# Altium PCB FMC_ADC_128CH_10B.PcbDoc (part 1 of 14) (continued)
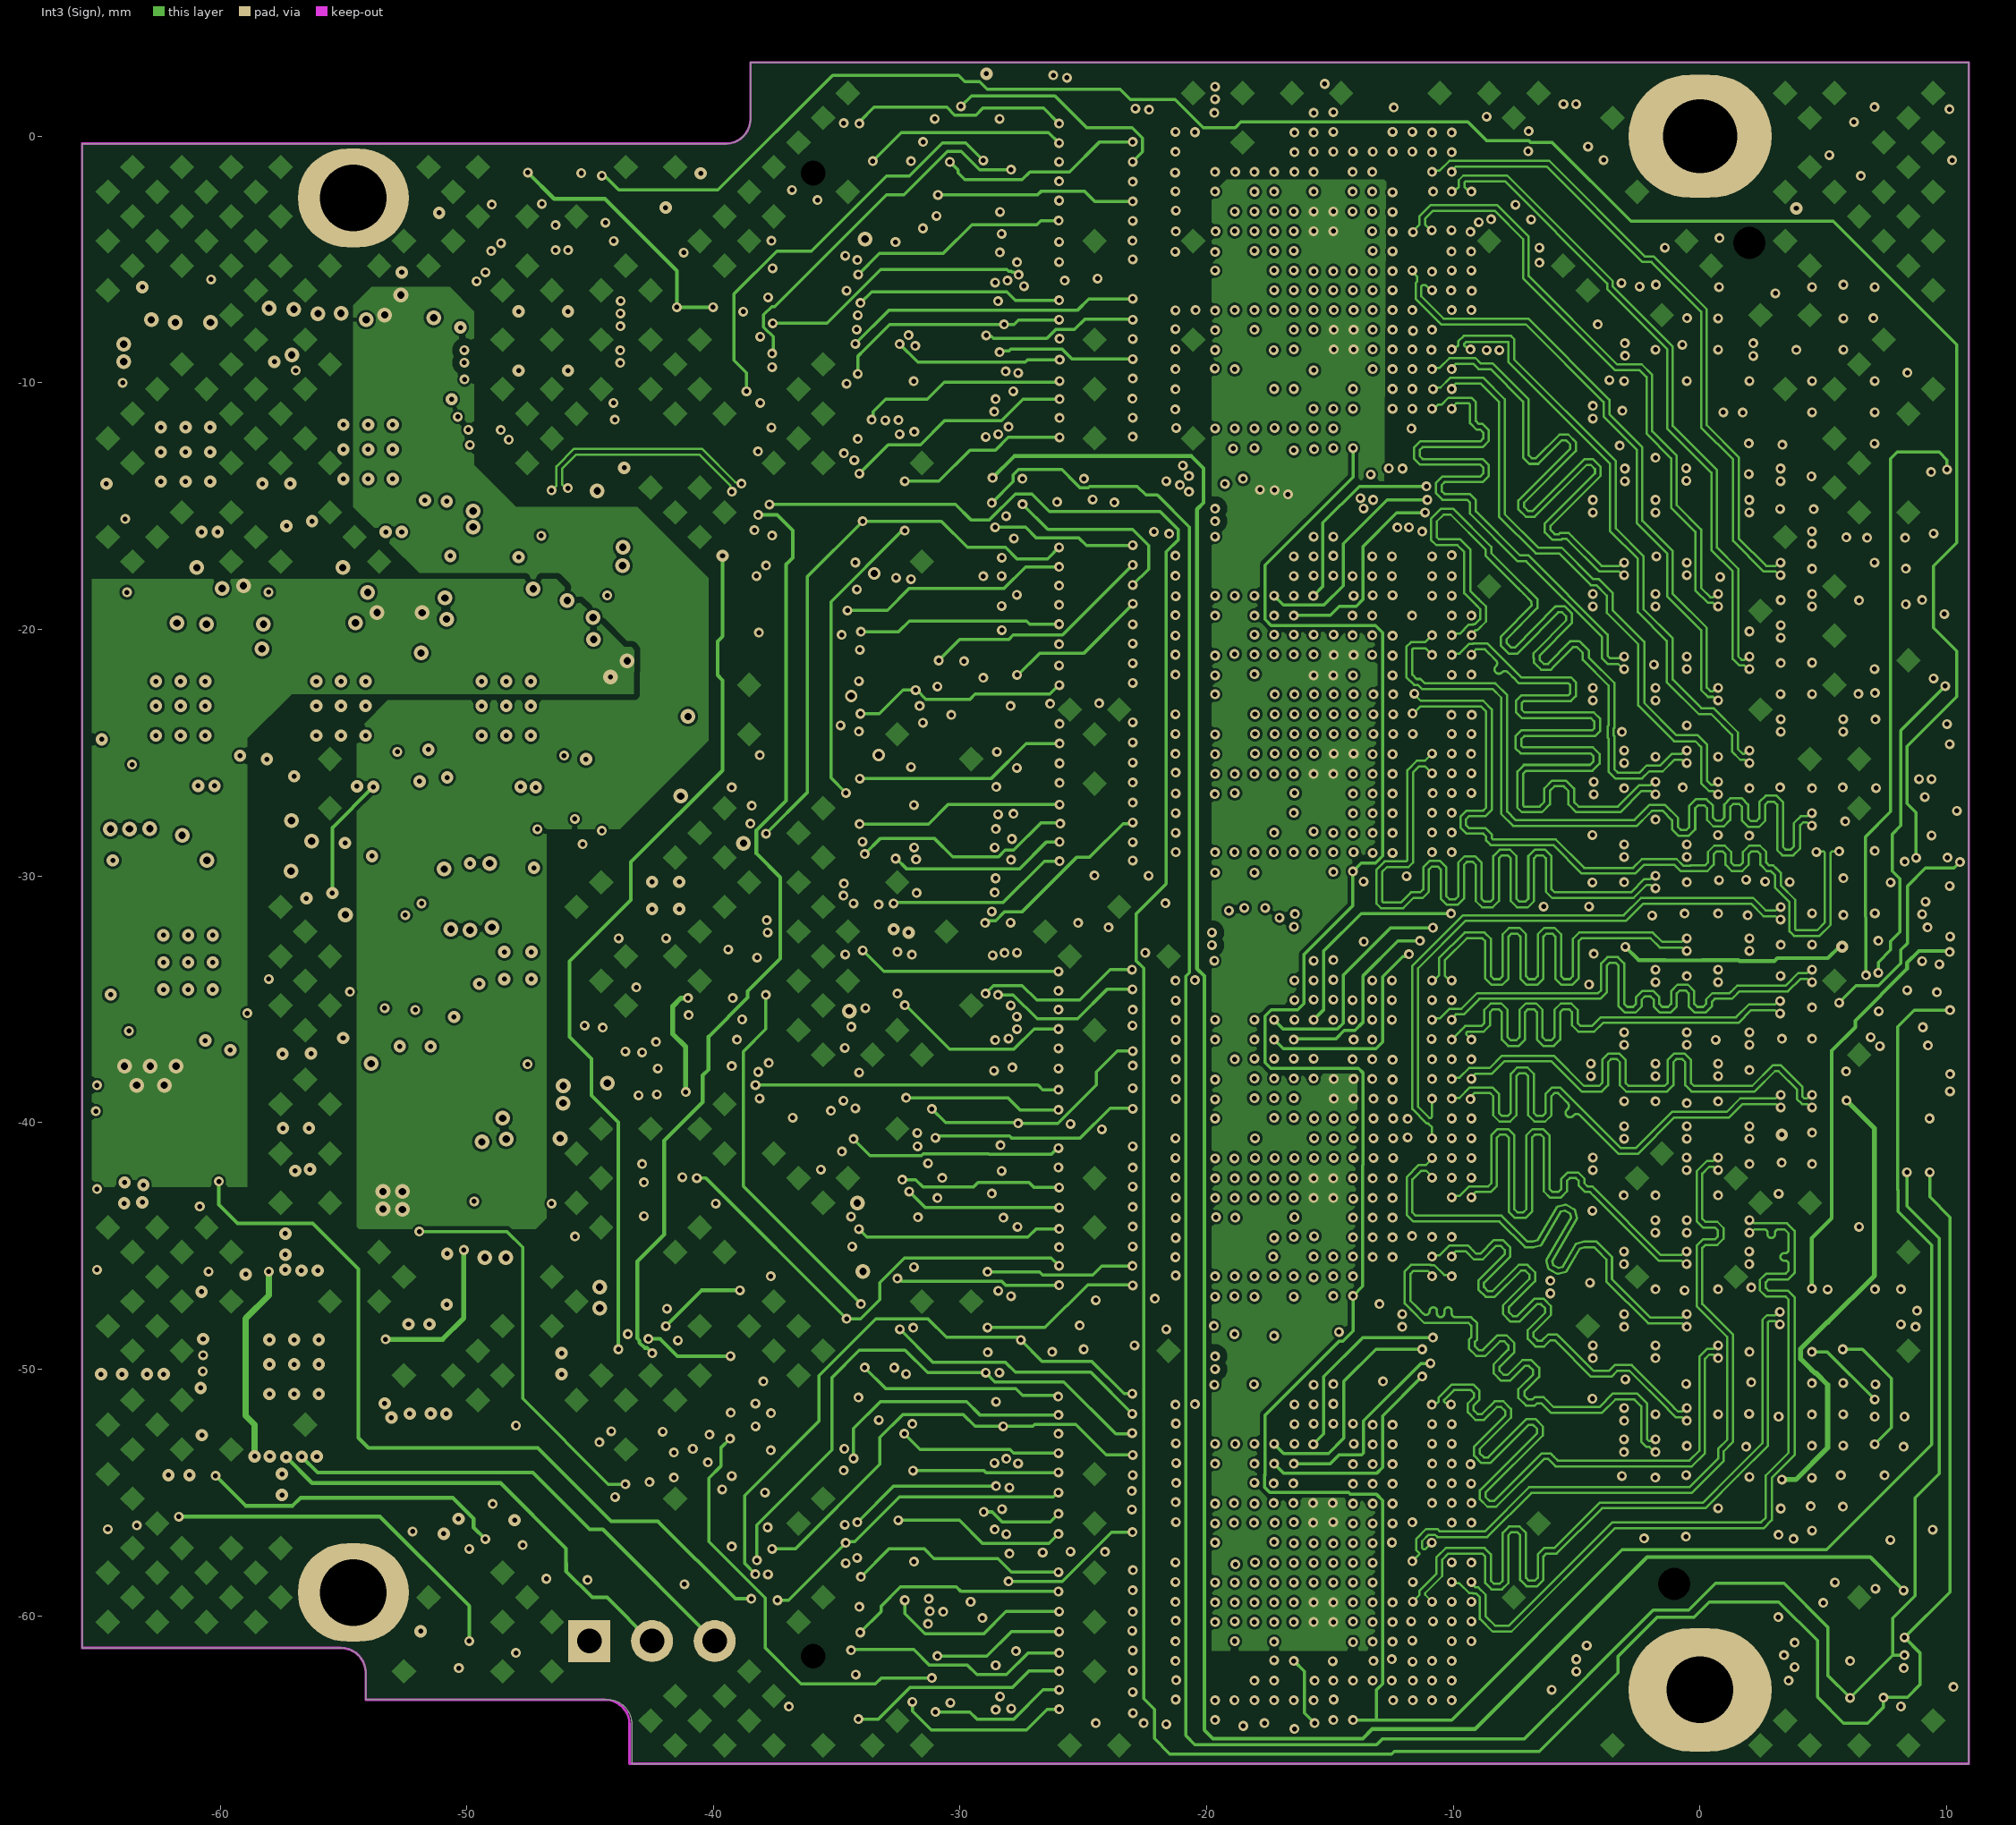
[diagram p4: Int3 (Sign)]
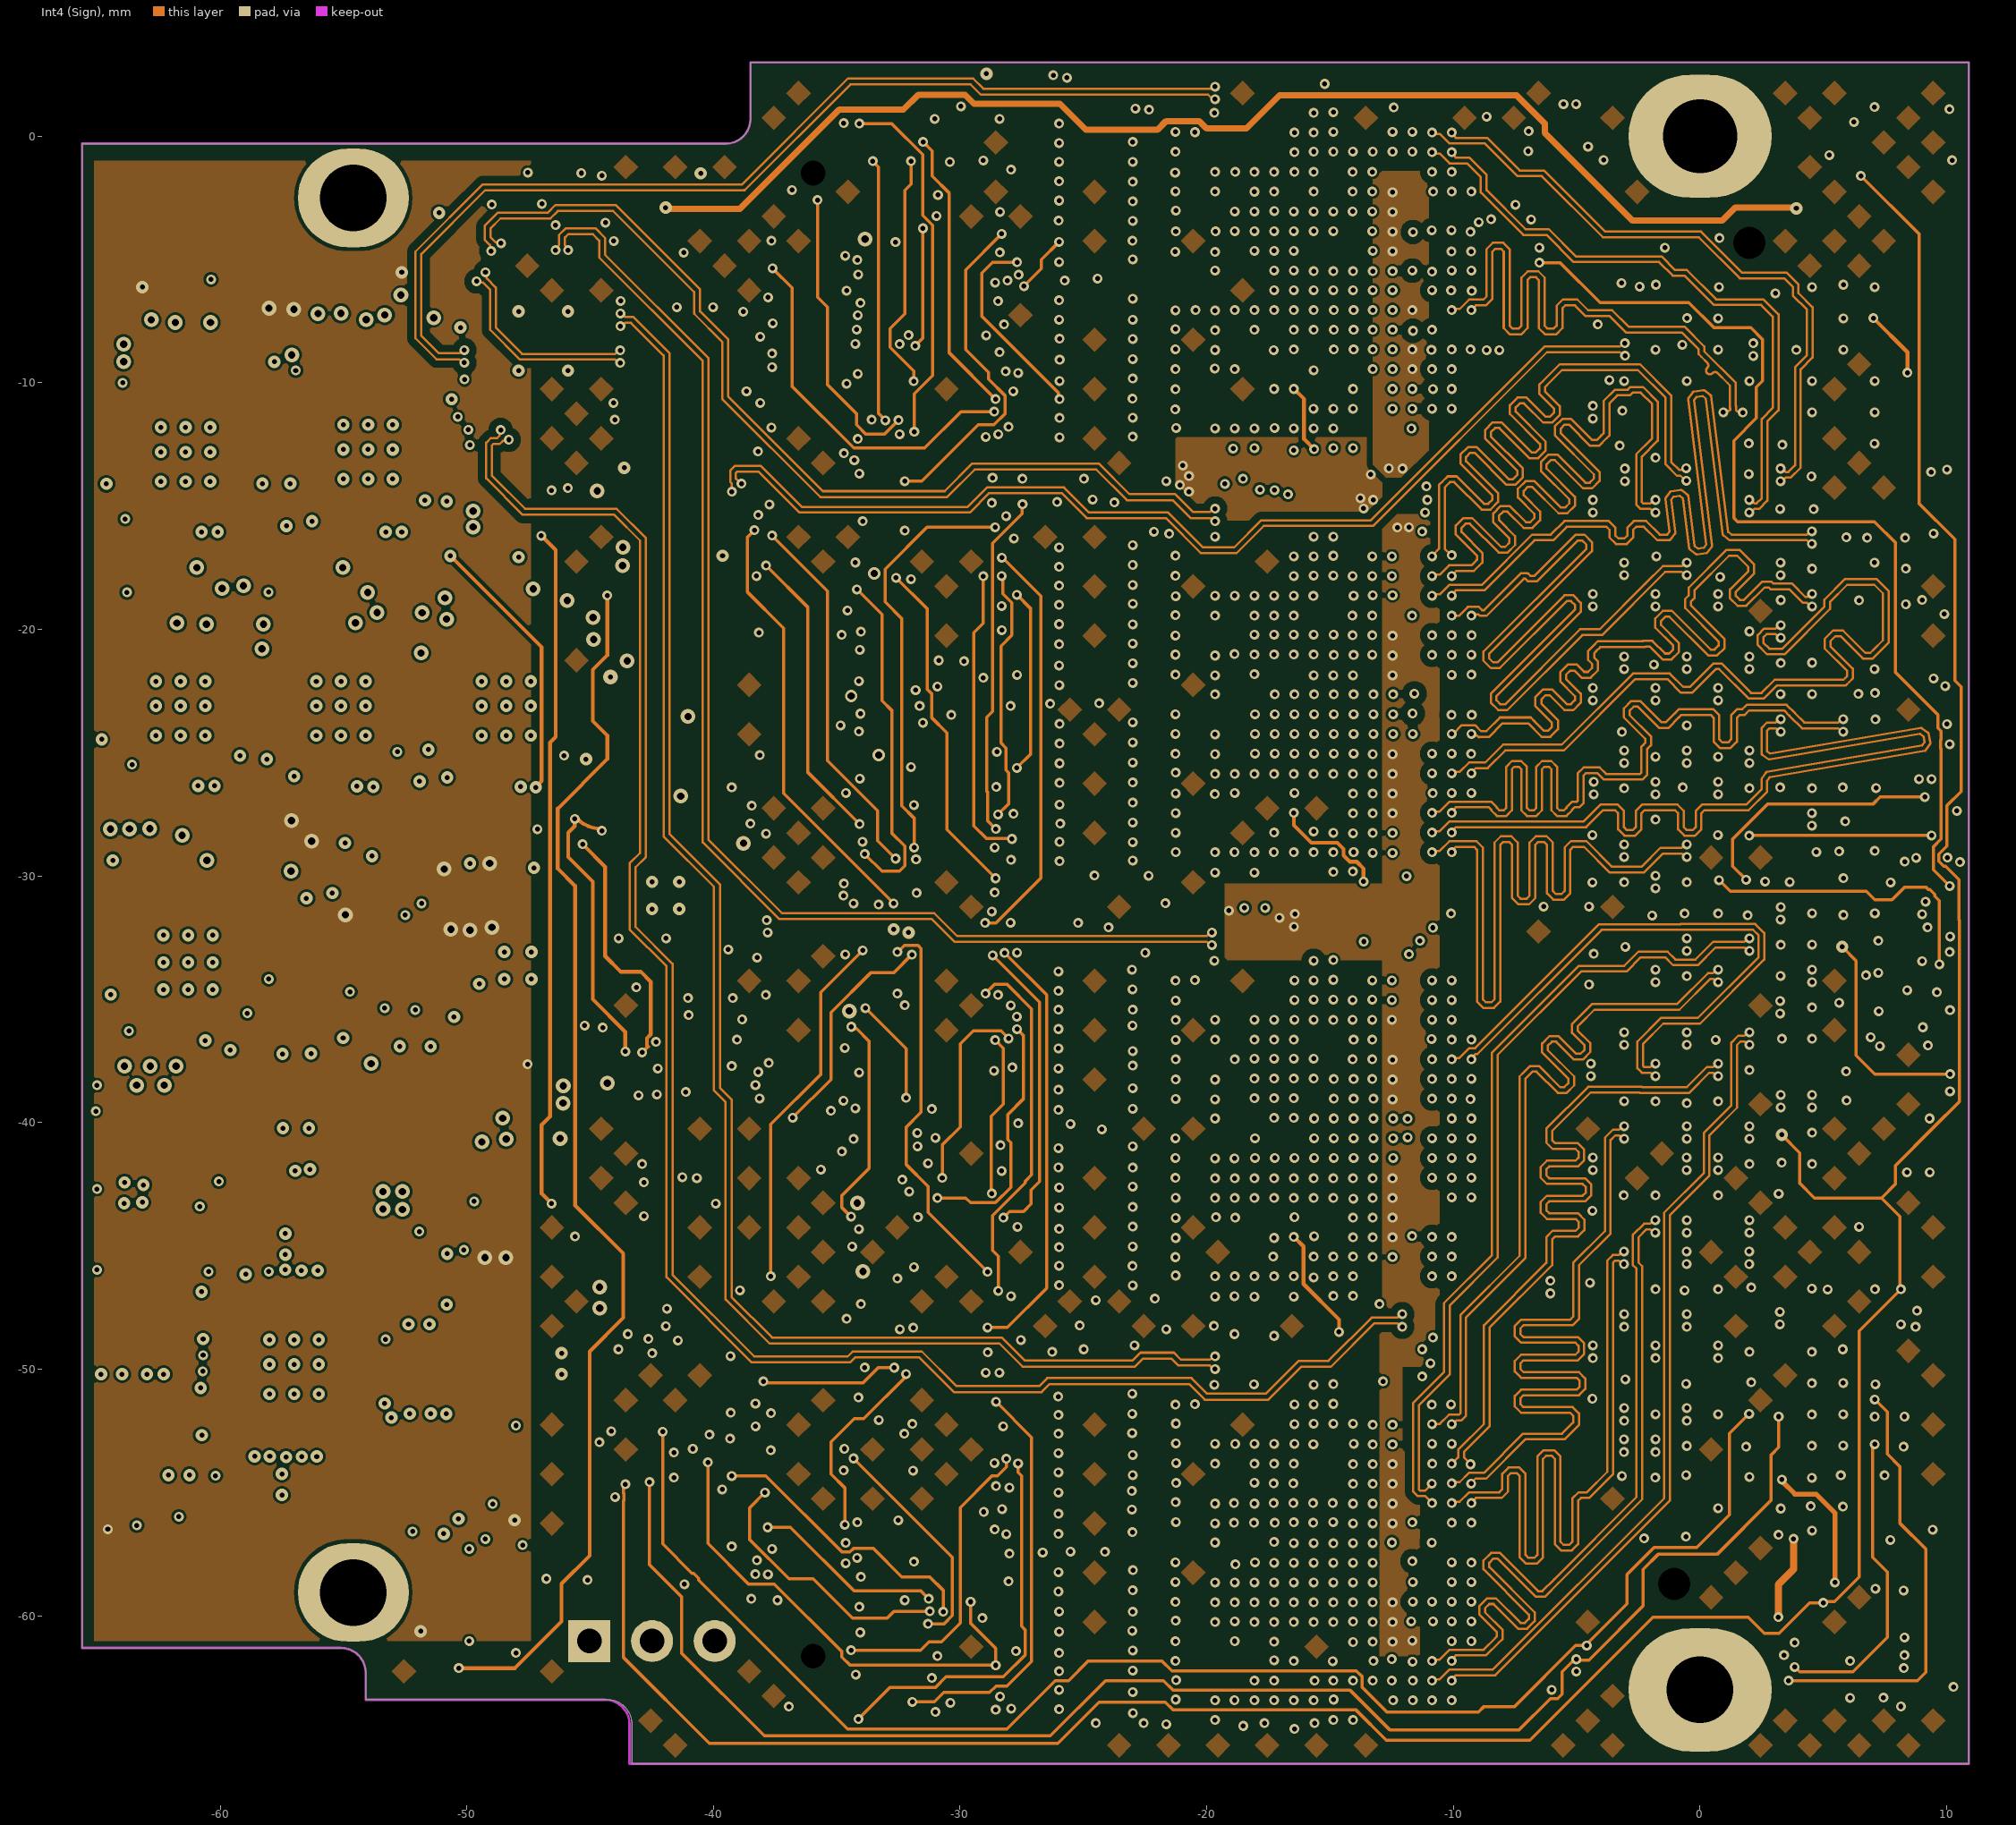
[diagram p5: Int4 (Sign)]
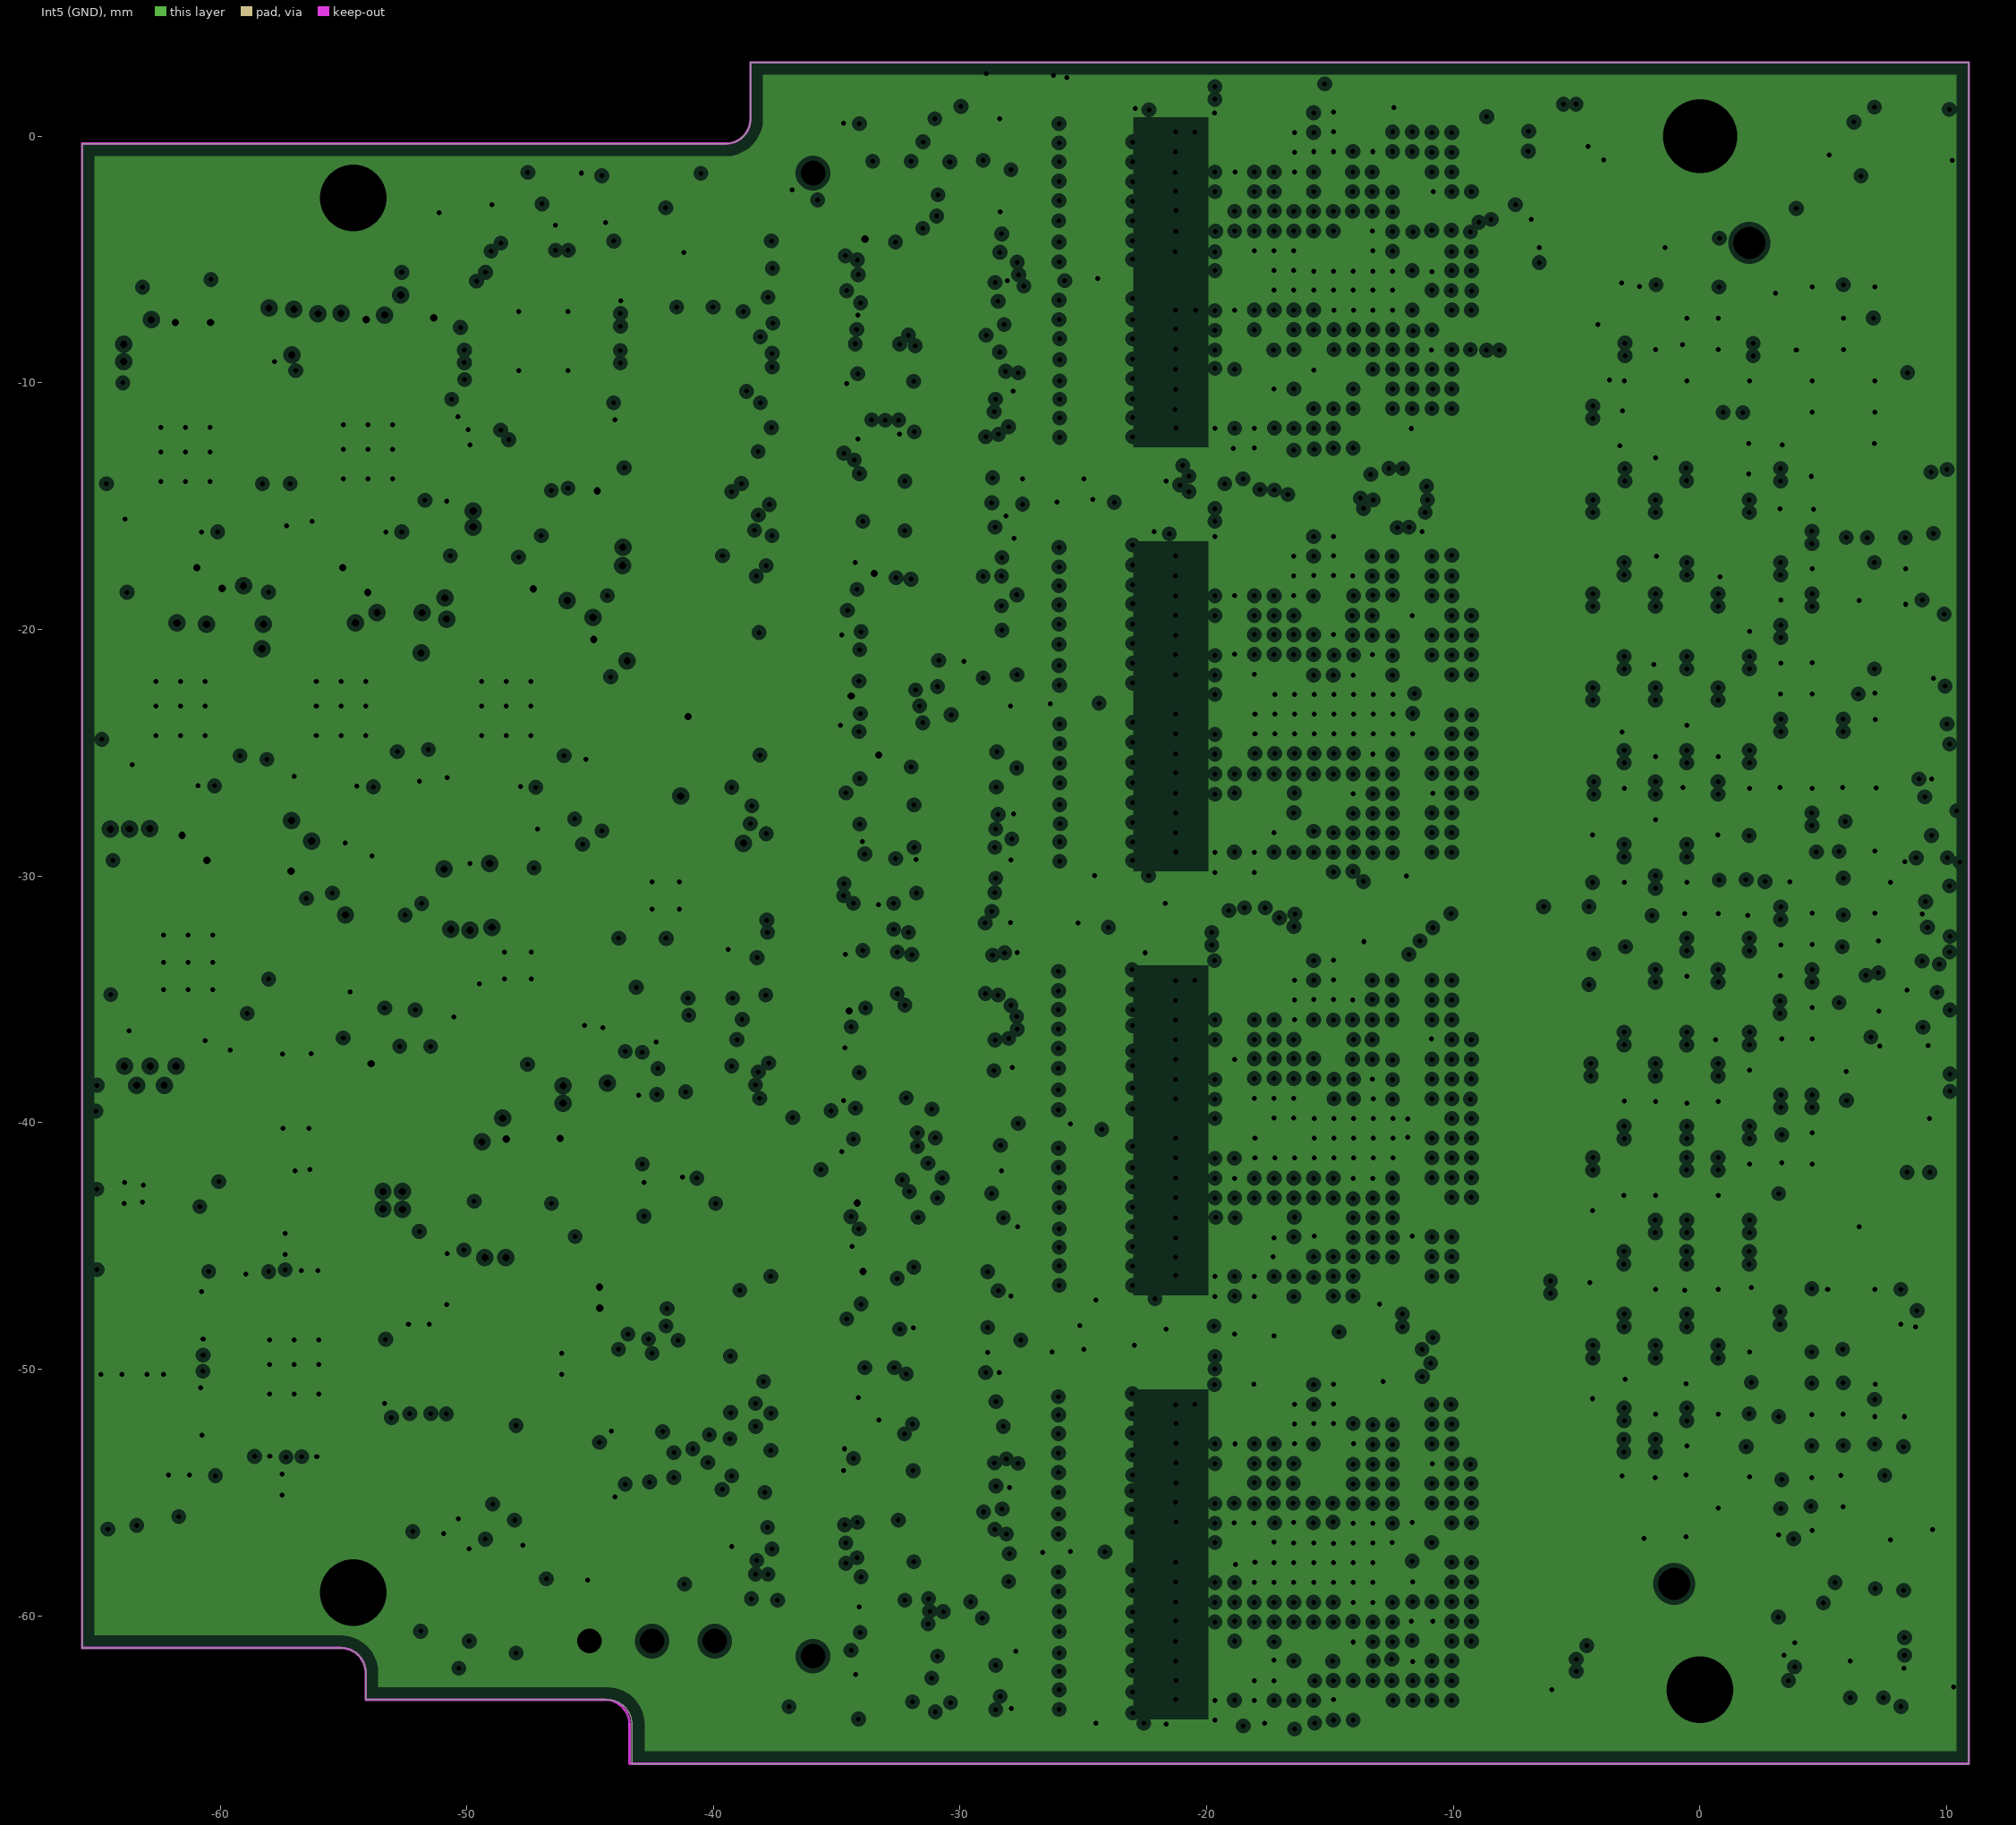
[diagram p6: Int5 (GND), clearances drawn from the general rule]
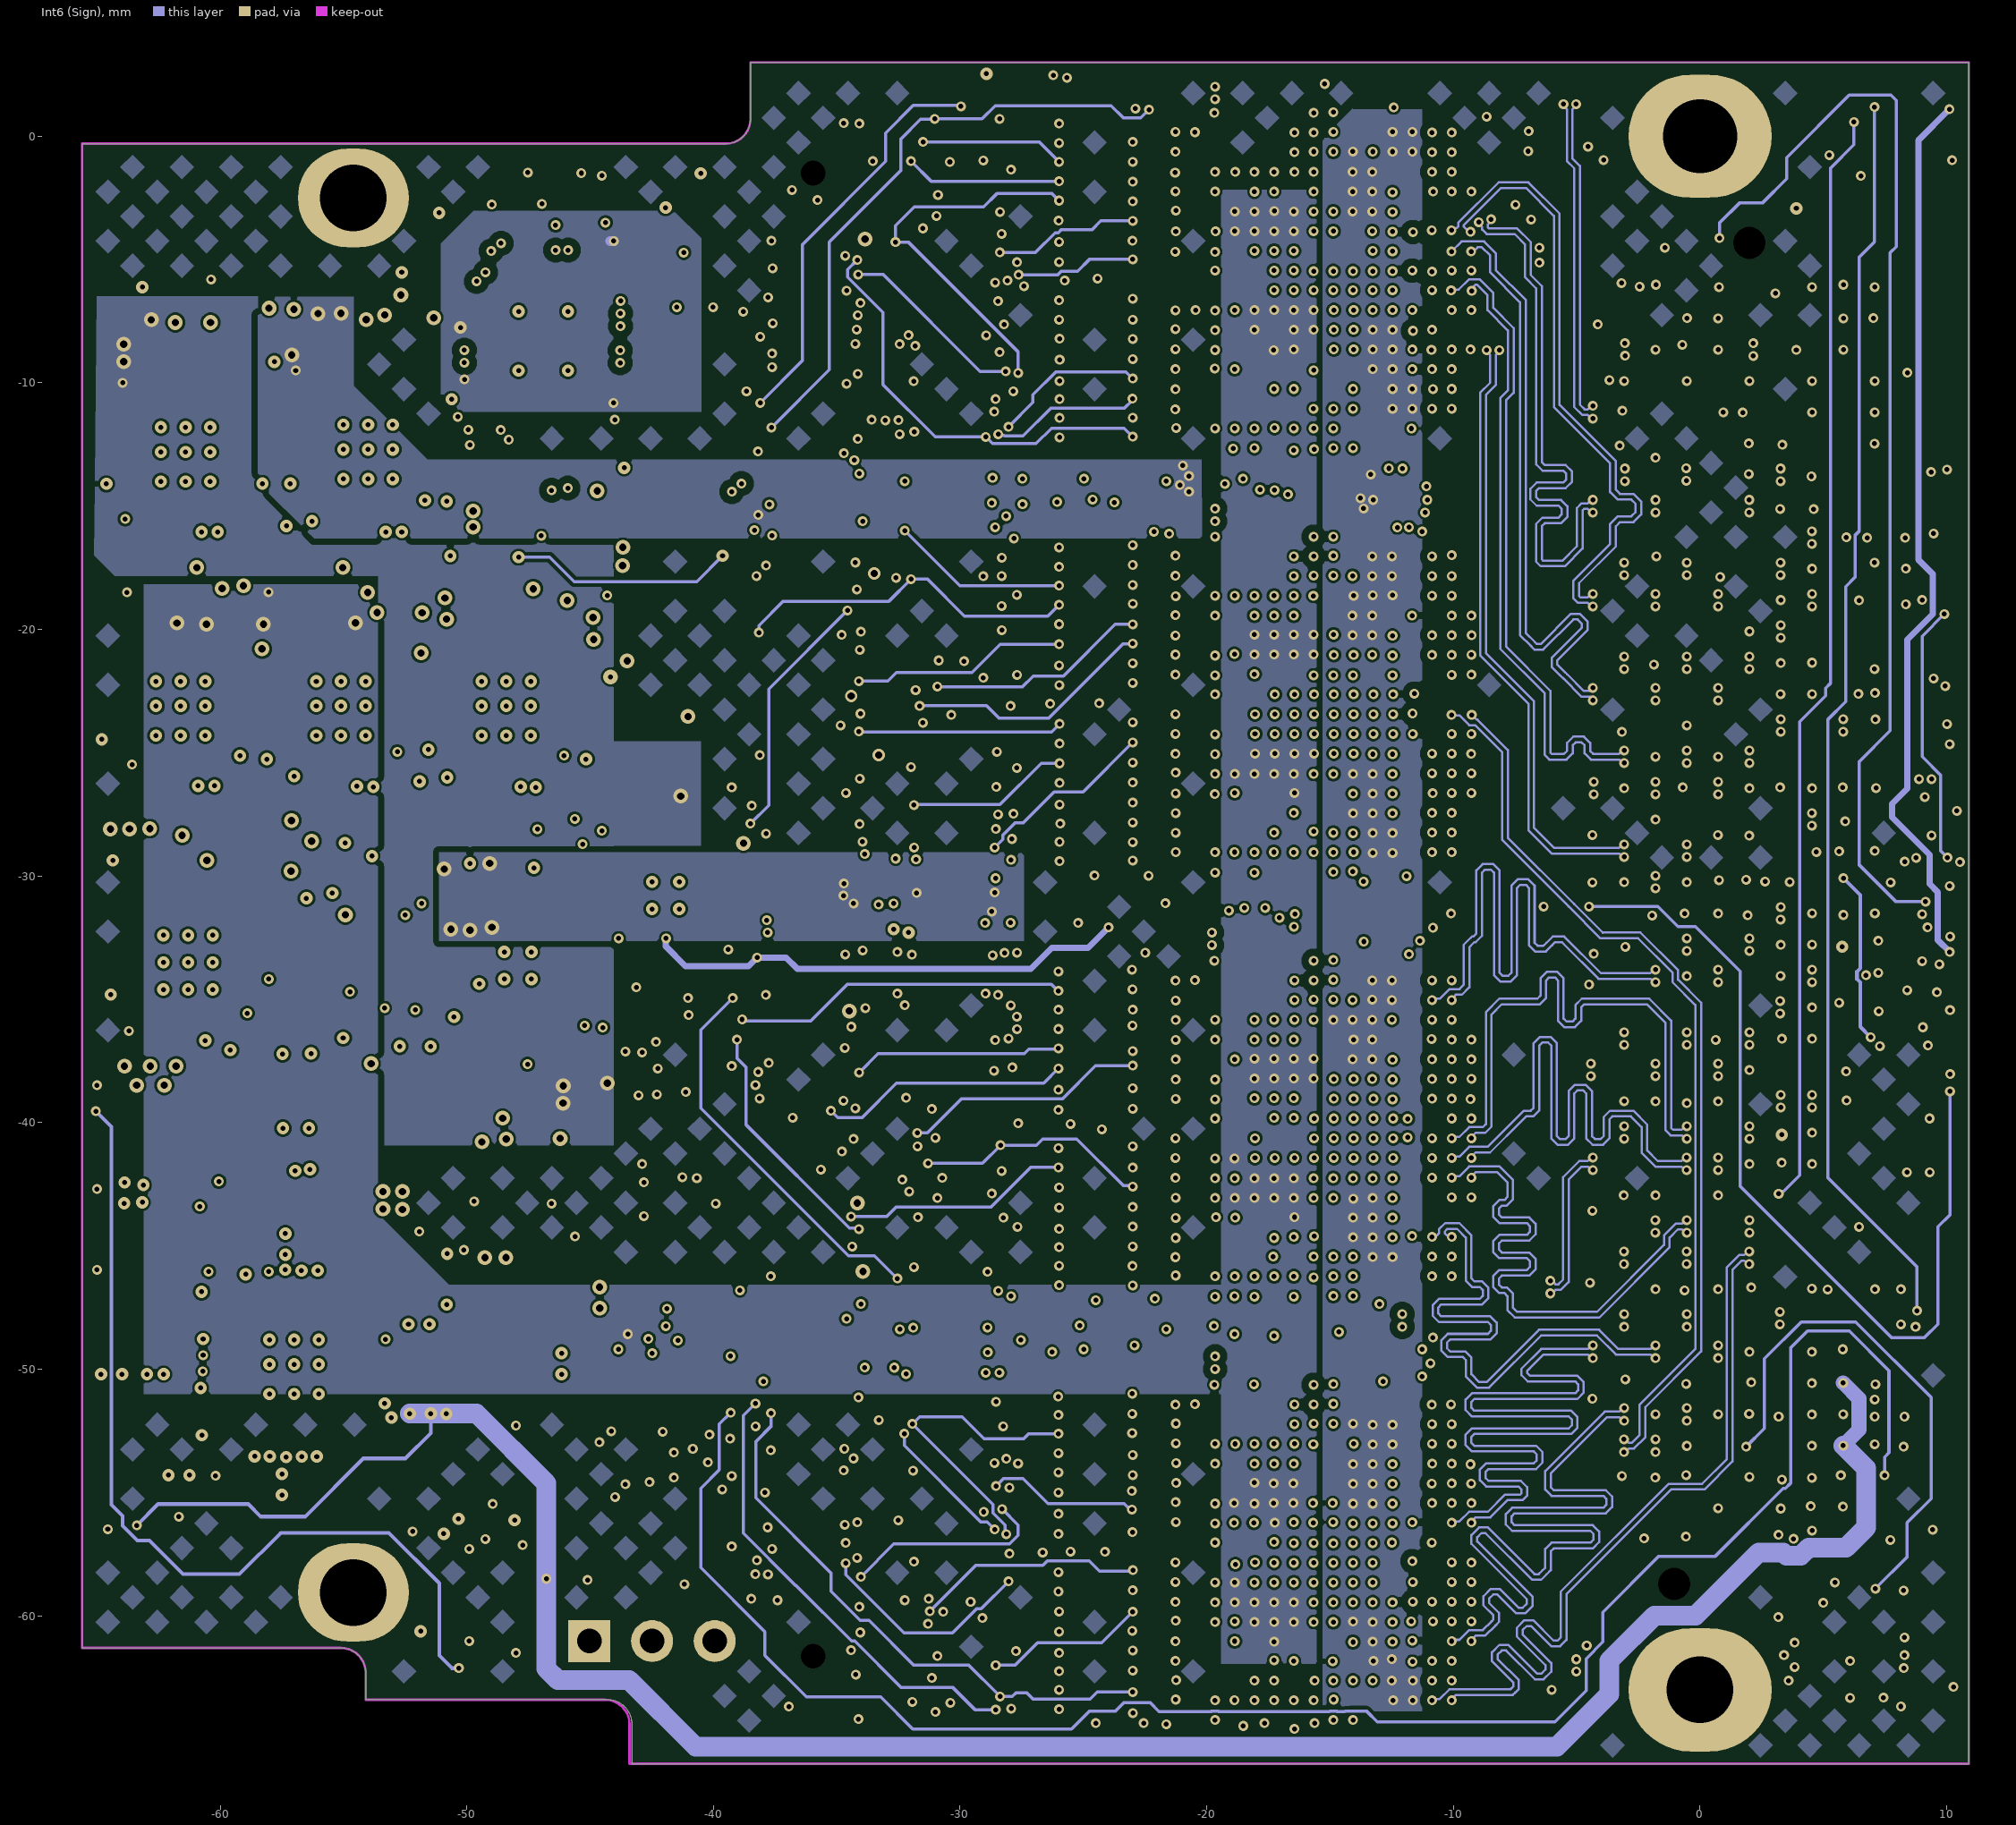
[diagram p7: Int6 (Sign)]

## Layer stack, top to bottom
Top Solder: solder mask 0.0254, SM-001, Dk 4
Top Layer: signal copper 0.035
Dielectric 1: prepreg 0.0711, PP-006, Dk 4.1
Dielectric 2: prepreg 0.0711, PP-006, Dk 4.1
Int1 (Sign): signal copper 0.018
Dielectric 3: core 0.2286, Core-027, Dk 4.5
Int2 (GND): plane copper 0.018, net GND
Dielectric 4: prepreg 0.0711, PP-006, Dk 4.1
Dielectric 5: prepreg 0.0711, PP-006, Dk 4.1
Int3 (Sign): signal copper 0.018
Dielectric 6: core 0.2286, Core-027, Dk 4.5
Int4 (Sign): signal copper 0.018
Dielectric 7: prepreg 0.0711, PP-006, Dk 4.1
Dielectric 8: prepreg 0.0711, PP-006, Dk 4.1
Int5 (GND): plane copper 0.018, net GND
Dielectric 9: core 0.2286, Core-027, Dk 4.5
Int6 (Sign): signal copper 0.018
Dielectric 10: prepreg 0.0711, PP-006, Dk 4.1
Dielectric 11: prepreg 0.0711, PP-006, Dk 4.1
Bottom Layer: signal copper 0.035
Bottom Solder: solder mask 0.0254, SM-001, Dk 4

## Board outline
-54.1,-63.4 -54.1,-62.3 ccw(c-55.1,-62.3) -55.1,-61.3 -65.6,-61.3 -65.6,-0.3 -39.5,-0.3 ccw(c-39.5,0.7) -38.5,0.7 -38.5,3 10.9,3 10.9,-66 -43.3,-66 -43.3,-64.4 ccw(c-44.3,-64.4) -44.3,-63.4

## Design rules (kind name [scope] priority, off if disabled: settings)
AcuteAngle [All] p1: minimum=6.00000000000000E+0001 checktracksonly=FALSE
AssemblyTestPointUsage [All] p1 off:
AssemblyTestpoint [All] p1 off: testpointundercomponent=TRUE minsize=1.016 maxsize=2.54 preferedsize=1.524 minholesize=0 maxholesize=1.016 preferedholesize=0.813 testpointgrid=0.025 usegrid=TRUE gridtolerance=0 allowsidetop=TRUE allowsidebottom=TRUE
Clearance Clearance_BAL [InNamedPolygon('Balance')] p1: gap=0.15 ignorepadtopadclearanceinfootprint=FALSE
Clearance Clearance_diff_poly [InAnyDifferentialPair vs IsRegion] p2: gap=0.3 ignorepadtopadclearanceinfootprint=FALSE
Clearance Clearance_ext_diff [InAnyDifferentialPair and (OnLayer('Top Layer') or OnLayer('Bottom Layer'))] p3: gap=0.11 ignorepadtopadclearanceinfootprint=FALSE except(0.1: Arc-Arc Arc-Track Track-Track)
Clearance Clearance_poly_gnd [(InPolygon AND InNet('GND'))] p4: gap=0.381 ignorepadtopadclearanceinfootprint=FALSE
Clearance Clearance_poly [InPolygon] p5: gap=0.152 ignorepadtopadclearanceinfootprint=FALSE except(0: Arc-Hole Track-Hole SMDPad-Hole THPad-Hole Via-Hole Fill-Hole Poly-Hole Region-Hole Text-Hole; 0.1: Via-Poly; 0.254: Poly-Poly)
Clearance [All] p6: gap=0.09 ignorepadtopadclearanceinfootprint=FALSE
ComponentClearance [All] p1: gap=0.1 collisioncheckmode=3 verticalgap=0.1 showdistances=FALSE
DiffPairsRouting [All] p1: maxlimit=0.15 minlimit=0.1 mostfreqgap=0.15 toplayer_maxgap=0.1 toplayer_prefgap=0.1 toplayer_minwidth=0.1 toplayer_maxwidth=0.1 toplayer_prefwidth=0.1 midlayer1_mingap=0.15 midlayer1_minwidth=0.09 midlayer1_maxwidth=0.091 midlayer1_prefwidth=0.09 midlayer2_mingap=0.15 midlayer2_minwidth=0.09 midlayer2_maxwidth=0.091 midlayer2_prefwidth=0.09 midlayer3_mingap=0.15 midlayer3_minwidth=0.09 midlayer3_maxwidth=0.091 midlayer3_prefwidth=0.09 midlayer4_mingap=0.15 midlayer4_minwidth=0.09 midlayer4_maxwidth=0.091 midlayer4_prefwidth=0.09 bottomlayer_maxgap=0.1 bottomlayer_prefgap=0.1 bottomlayer_minwidth=0.1 bottomlayer_maxwidth=0.1 bottomlayer_prefwidth=0.1 impedanceprofiledriven=TRUE impedanceprofileid={22BBEDF7-6535-4861-99E9-BD75A45D6215} impedanceprofilevalue=100.000000 maxuncoupledlength=100
FabricationTestPointUsage [All] p1 off: valid=0 allowmultiple=FALSE
FabricationTestpoint [(IsPad And (OnTopLayer Or OnBottomLayer))] p1 off: side=3 testpointundercomponent=TRUE minsize=1.016 maxsize=2.54 preferedsize=1.524 minholesize=0 maxholesize=1.016 preferedholesize=0.813 testpointgrid=0.025 allowsidetop=TRUE allowsidebottom=TRUE usegrid=TRUE gridtolerance=0
FanoutControl Fanout_BGA [IsBGA] p1 off: bgadir=Out bgaviamode=Centered fanoutstyle=Auto fanoutdirection=Alternating viagrid=0.025 // Fanout_BGA (Default Rule)
FanoutControl Fanout_LCC [IsLCC] p2 off: bgadir=Out bgaviamode=Centered fanoutstyle=Auto fanoutdirection=Alternating viagrid=0.025 // Fanout_LCC (Default Rule)
FanoutControl Fanout_SOIC [IsSOIC] p3 off: bgadir=Out bgaviamode=Centered fanoutstyle=Auto fanoutdirection=Alternating viagrid=0.025 // Fanout_SOIC (Default Rule)
FanoutControl Fanout_Small [(CompPinCount < 5)] p4 off: bgadir=Out bgaviamode=Centered fanoutstyle=Auto fanoutdirection=OutThenIn viagrid=0.025 // Fanout_Small (Default Rule)
FanoutControl Fanout_Default [All] p5 off: bgadir=Out bgaviamode=Centered fanoutstyle=Auto fanoutdirection=Alternating viagrid=0.025 // Fanout_Default (Default Rule)
Height BottomHeight [All] p1: minheight=0 maxheight=20 prefheight=10
Height TopHeight [OnLayer('Top Layer (LO)')] p2: minheight=0 maxheight=2.5 prefheight=1
HoleSize [All] p1: absolutevalues=TRUE maxlimit=5 minlimit=0.15 maxpercent=80.000 minpercent=20.000
HoleToHoleClearance [All] p1: gap=0.15 allowstackedmicrovias=TRUE
LayerPairs [All] p1 off: enforce=TRUE
Length "'Default' PADS rule" [All] p1 off: maxlimit=1270 minlimit=0
MatchedLengths [InxSignalClass('All xSignals')] p1: tolerance=1 checknetsindiffpair=TRUE checkdiffpairvsdiffpair=FALSE checkxsignals=FALSE checkothers=FALSE
MatchedLengths MatchedLengths_DOUT_A [InxSignalClass('U1A')] p2: tolerance=3.81 checknetsindiffpair=FALSE checkdiffpairvsdiffpair=TRUE checkxsignals=TRUE checkothers=TRUE
MatchedLengths MatchedLengths_DOUT_B [InxSignalClass('U1B')] p3: tolerance=3.81 checknetsindiffpair=FALSE checkdiffpairvsdiffpair=TRUE checkxsignals=TRUE checkothers=TRUE
MatchedLengths MatchedLengths_DOUT_C [InxSignalClass('U1C')] p4: tolerance=3.81 checknetsindiffpair=FALSE checkdiffpairvsdiffpair=TRUE checkxsignals=TRUE checkothers=TRUE
MatchedLengths MatchedLengths_DOUT_D [InxSignalClass('U1D')] p5: tolerance=3.81 checknetsindiffpair=FALSE checkdiffpairvsdiffpair=TRUE checkxsignals=TRUE checkothers=TRUE
MinimumAnnularRing [All] p1: minimumring=0.1
MinimumSolderMaskSliver [All] p1: minsoldermaskwidth=0
MinimumSolderMaskSliver SilkscreenOverComponentPads [All] p2: minsoldermaskwidth=0
ParallelSegment "'Default' PADS rule_3" [All] p1 off: limit=25.4 gap=5.08
ParallelSegment "'Default' PADS rule_2" [All] p2 off: limit=25.4 gap=5.08
PasteMaskExpansion [All] p1 off: expansion=0
PlaneClearance [All] p1: clearance=0.203
PlaneConnect PlaneConnect_pad [(InPadClass('All Pads'))] p1: planeconnectstyle=Relief reliefexpansion=0.152 reliefentries=4 reliefconductorwidth=0.152 reliefairgap=0.203
PlaneConnect [All] p2: planeconnectstyle=Direct reliefexpansion=0.508 reliefentries=4 reliefconductorwidth=0.254 reliefairgap=0.254
PolygonConnect PolygonConnect_pad [(InPadClass('All Pads'))] p1: connectstyle=Relief reliefconductorwidth=0.254 reliefentries=4 polygonreliefangle="90 Angle" airgapwidth=0.254
PolygonConnect [All] p2: connectstyle=Direct reliefconductorwidth=0.254 reliefentries=4 polygonreliefangle="90 Angle" airgapwidth=0.254
RoomDefinition U_Supply_FMC [InComponentClass('U_Supply_FMC')] p1: confinementstyle=ConfineIn formatcopy=TRUE lockcomponents=FALSE outline -1.521,-78.014 -33.448,-78.014 -33.448,-70.293 -1.521,-70.293
RoomDefinition U_AFE_3 [InComponentClass('U_AFE_3')] p2: confinementstyle=ConfineIn formatcopy=TRUE lockcomponents=FALSE outline -36.776,-48.83 -14.475,-48.83 -14.475,-66.025 -36.776,-66.025
RoomDefinition U_AFE_32_SUP4 [InComponentClass('U_AFE_32_SUP4')] p3: confinementstyle=ConfineIn formatcopy=TRUE lockcomponents=FALSE outline -14.464,-48.83 -7.464,-48.83 -7.464,-66.03 -14.464,-66.03
RoomDefinition U_AFE_2 [InComponentClass('U_AFE_2')] p4: confinementstyle=ConfineIn formatcopy=TRUE lockcomponents=FALSE outline -36.776,-31.634 -14.475,-31.634 -14.475,-48.83 -36.776,-48.83
RoomDefinition U_AFE_32_SUP3 [InComponentClass('U_AFE_32_SUP3')] p5: confinementstyle=ConfineIn formatcopy=TRUE lockcomponents=FALSE outline -14.464,-31.634 -7.464,-31.634 -7.464,-48.834 -14.464,-48.834
RoomDefinition U_AFE_1 [InComponentClass('U_AFE_1')] p6: confinementstyle=ConfineIn formatcopy=TRUE lockcomponents=FALSE outline -36.776,-14.438 -14.475,-14.438 -14.475,-31.634 -36.776,-31.634
RoomDefinition U_AFE_32_SUP2 [InComponentClass('U_AFE_32_SUP2')] p7: confinementstyle=ConfineIn formatcopy=TRUE lockcomponents=FALSE outline -14.464,-14.438 -7.464,-14.438 -7.464,-31.638 -14.464,-31.638
RoomDefinition U_AFE_0 [InComponentClass('U_AFE_0')] p8: confinementstyle=ConfineIn formatcopy=TRUE lockcomponents=FALSE outline -36.776,2.751 -14.475,2.751 -14.475,-14.445 -36.776,-14.445
RoomDefinition U_AFE_32_SUP1 [InComponentClass('U_AFE_32_SUP1')] p9: confinementstyle=ConfineIn formatcopy=TRUE lockcomponents=FALSE outline -14.475,2.737 -7.475,2.737 -7.475,-14.463 -14.475,-14.463